# Altium PCB Hydrophone2012.PcbDoc (part 3 of 3) (continued)
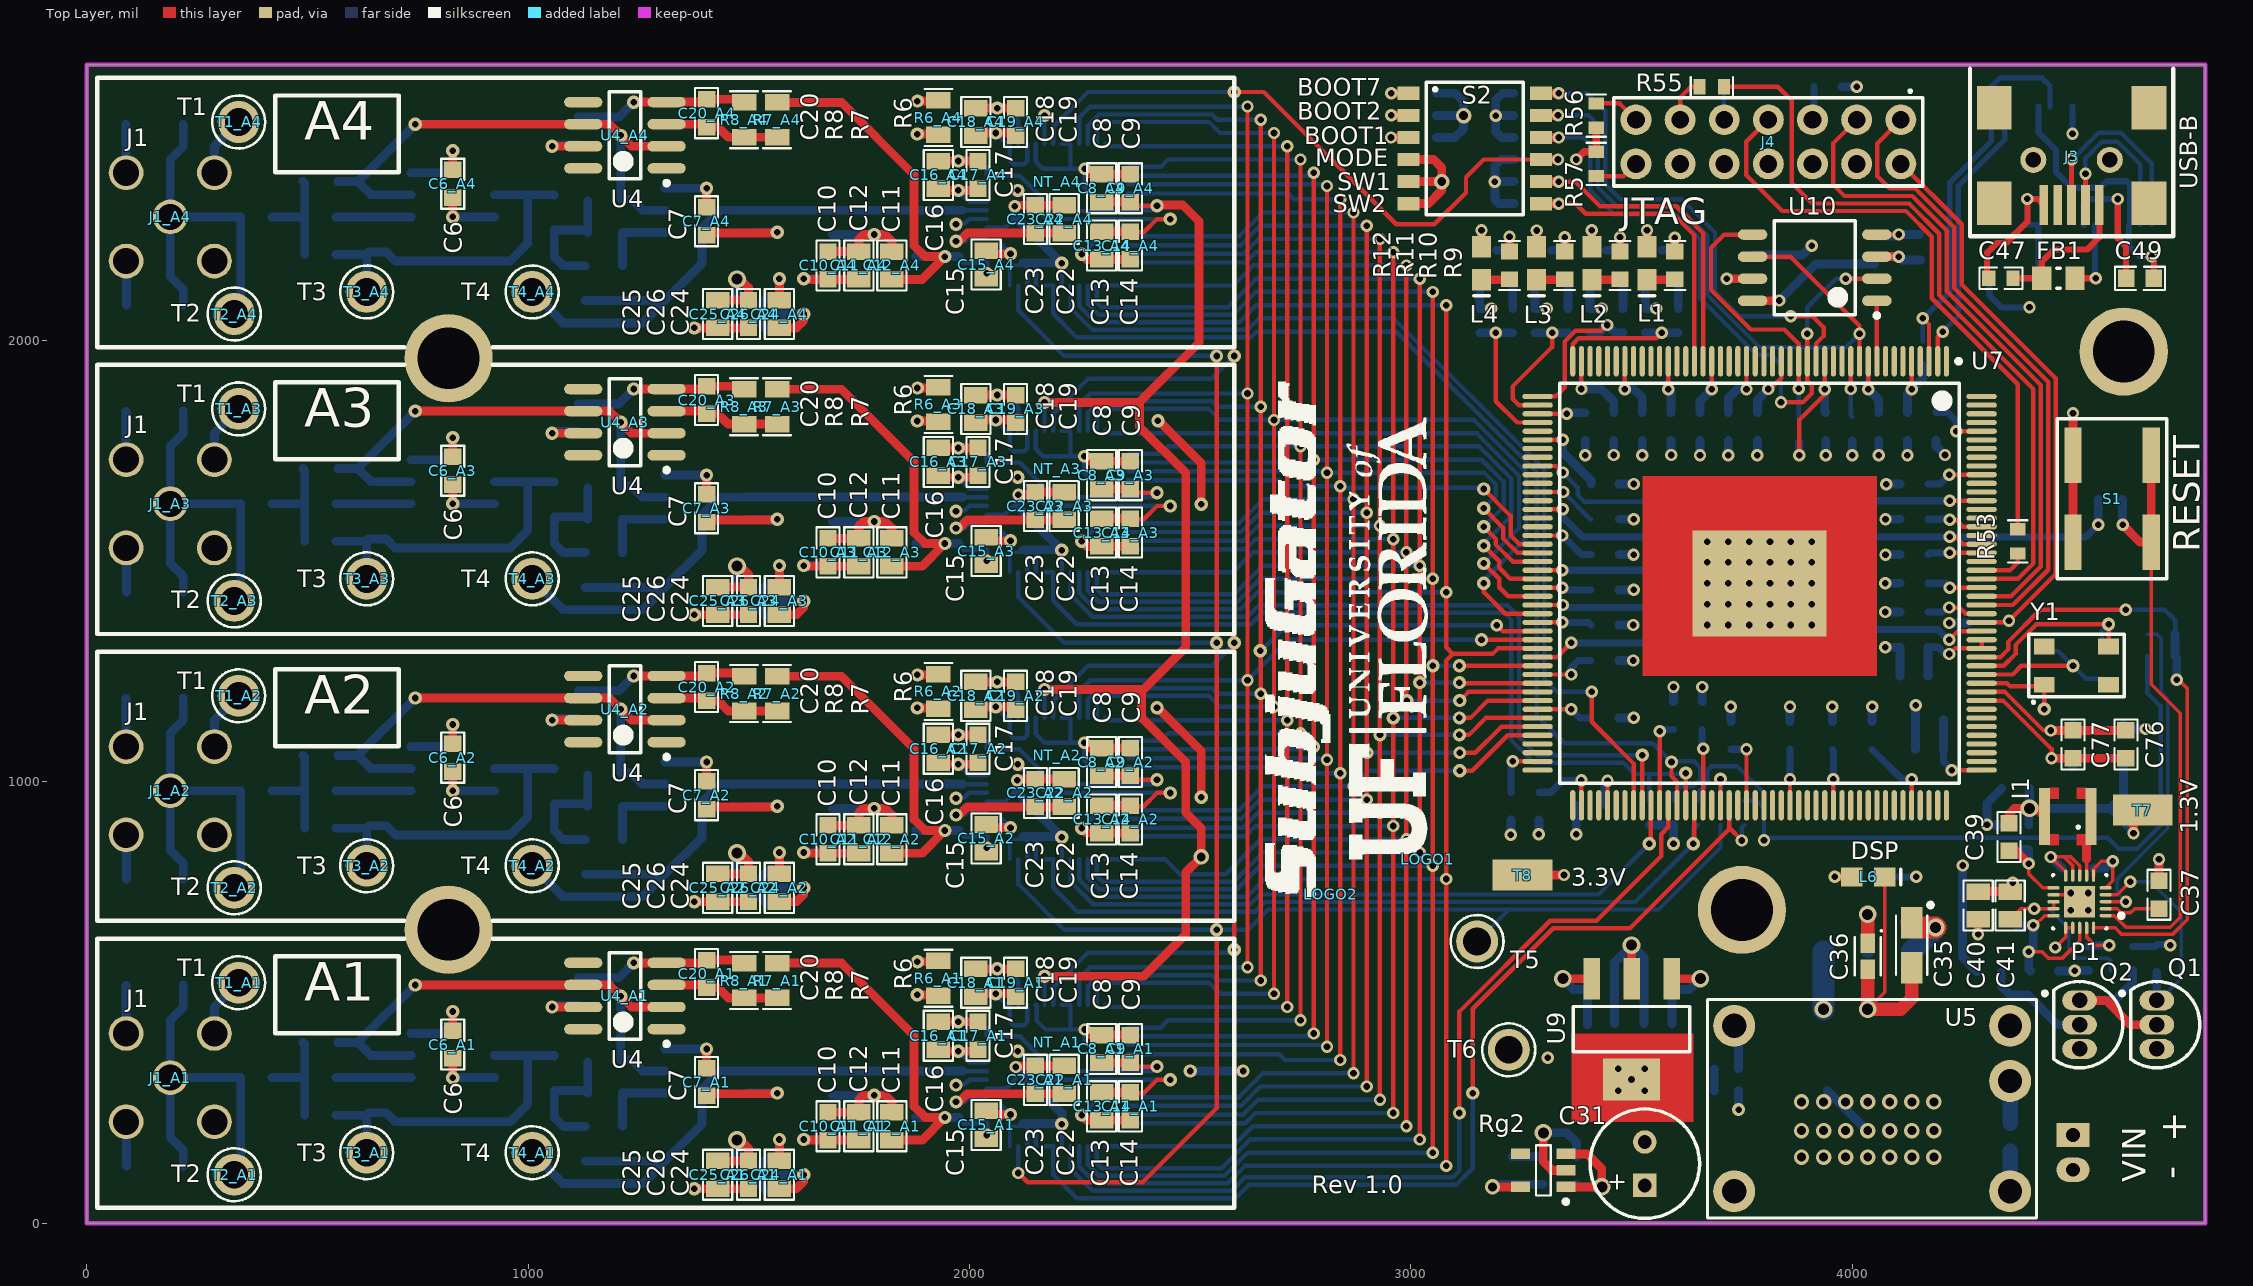
[diagram p0: Top Layer view]
## Nets (pads, with @x,y where several pads share a name; then routed paths per layer and width w, separated by ;. In a path a pad name is that pad's centre, name@x,y a point inside that pad or via, vN(x,y) a via of type N, cw(c..) or ccw(c..) an arc to the next point about the centre after c; other vN are vias at no path point) (continued)
SPI0_CS0: U7.9 U10.1 | length 137
  Top Layer w10: U7.9@4055.75,1952.95 U10.1@4055.75,2090
SPI0_SIMO: NT2.2 U7.18 U10.5 | length 573.4
  Top Layer w10: U10.5@3774.25,2240 3710,2240 3680,2210 3680,2115 3770,2025 3845.87,2025 3878.58,1992.28 U7.18@3878.58,1952.95 v1(3878.58,1890.79)
  Bottom Layer w10: NT2.2@3878.58,1870 v1(3878.58,1890.79)
SPI0_SOMI: NT3.2 U7.17 U10.2 | length 486.6
  Top Layer w10: v1(3838.5,1860) 3888.27,1860 3908.11,1879.84 3908.11,1898.39 3898.27,1908.23 U7.17@3898.27,1952.95 v1(3898.27,2015) ; v1(3985,2140) U10.2@4055.75,2140
  Bottom Layer w10: v1(3838.5,1860) NT3.2@3838.5,1885 ; v1(3898.27,2015) 3898.27,2075.16 3963.11,2140 v1(3985,2140)
TRSTN: J4.2 R31.1 U7.150 | length 1328
  Top Layer w10: J4.2@4110,2400 4111.17,2400 4248,2263.17 4248,2127 4461,1914 4461,1471 v1(4355,1365) 4351.42,1361.42 U7.150@4292.95,1361.42
  Bottom Layer w10: R31.1@4317.56,1360 4350,1360 v1(4355,1365)
USB_N: J3.2 U8.16 | length 404.2
  Top Layer w12: J3.2@4528.29,2306.8 v1(4528.29,2377.35)
  Bottom Layer w10: v1(4528.29,2377.35) 4528.29,2412.78 4566.21,2450.69 4600.61,2450.69 4652.54,2398.76 U8.16@4652.54,2262
USB_P: J3.3 U8.15 | length 478
  Top Layer w10: v1@4496.8,2410.35 v1(4497.31,2410.86)
  Top Layer w12: J3.3@4496.8,2306.8 v1@4496.8,2410.35
  Bottom Layer w10: v1(4497.31,2410.86) 4498.09,2410.86 4557.92,2470.69 4608.89,2470.69 4678.13,2401.45 U8.15@4678.13,2262
V5.0: C32.2 C33.2 C34.2 C36.1 C42.1 C44.2 P1.8 P1.9 P1.10 P1.15 P1.18 R22.2 R23.2 U6.2 U9.1 | length 2692.5
  Top Layer w8: v1(4400,615) 4430,615 4445,600 4475,600 4515,640 P1.18@4515,669.45 ; v1(4410,675) 4413.82,675 4435.83,697.01 P1.15@4455.94,697.01 ; P1.10@4483.5,787.56 4483.5,796.5 v1(4450,830) 4480,830 ; P1.9@4499.25,787.56 4499.25,810.75 4480,830 ; P1.8@4515,787.56 4515,810 4495,830 4480,830
  Top Layer w20: U9.1@3590.55,554.17 v4(3655.83,554.17)
  Top Layer w30: C36.1@4035,638.46 v4(4035,700)
  PWR w16: 4220,720 4255,685 4255,643.99 4319.99,579 4463,579 4492,608 4526,608 4533,601 4631.83,601 4660.83,630 v1(4720,630)
  PWR w20: v4(4035,700) 4055,720 4220,720 4280,720 4325,675 v1(4410,675) 4420,675 4450,705 v1(4450,830)
  PWR w30: v4(3655.83,554.17) 3889.17,554.17 v4(4035,700)
  Bottom Layer w16: R22.2@4635,627.56 R23.2@4686.06,627.56 ; R23.2@4690,631.5 4718.5,631.5 v1(4720,630)
  Bottom Layer w20: C42.1@3591.5,451.97 C44.2@3591.5,530 3631.65,530 v4(3655.83,554.17) ; C33.2@4363.31,683.5 4371.81,675 v1(4410,675) 4410,625 v1(4400,615) 4400,575.04 C34.2@4403.5,571.54 ; v1(4450,830) C32.2@4475,805
  Bottom Layer w30: U6.2@4035,616.06 v4(4035,700)
V7.2: A_A1.40 A_A2.40 A_A3.40 A_A4.40 C10_A1.1 C10_A2.1 C10_A3.1 C10_A4.1 C11_A1.2 C11_A2.2 C11_A3.2 C11_A4.2 C22_A1.2 C22_A2.2 C22_A3.2 C22_A4.2 C23_A1.2 C23_A2.2 C23_A3.2 C23_A4.2 C24_A1.2 C24_A2.2 C24_A3.2 C24_A4.2 C27.2 C31.1 C35.1 Rg1_A1.1 Rg1_A1.3 Rg1_A2.1 Rg1_A2.3 Rg1_A3.1 Rg1_A3.3 Rg1_A4.1 Rg1_A4.3 Rg2.1 Rg2.3 U3_A1.2 U3_A2.2 U3_A3.2 U3_A4.2 U5.5 U6.3 | length 13310.6
  Top Layer w20: C24_A1.2@1569.5,141.5 v2(1569.5,190) ; C24_A2.2@1569.5,791.5 v2(1569.5,840) ; C24_A3.2@1569.5,1441.5 v2(1569.5,1490) ; C24_A4.2@1569.5,2091.5 v2(1569.5,2140) ; v2(1624.5,190) 1626,188.5 C10_A1.1@1679.5,188.5 C11_A1.2@1749.5,188.5 ; v2(1624.5,840) 1626,838.5 C10_A2.1@1679.5,838.5 C11_A2.2@1749.5,838.5 ; v2(1624.5,1490) 1626,1488.5 C10_A3.1@1679.5,1488.5 C11_A3.2@1749.5,1488.5 ; v2(1624.5,2140) 1626,2138.5 C10_A4.1@1679.5,2138.5 C11_A4.2@1749.5,2138.5 ; v2(1969.5,275) 1976.6,275 1995.1,293.5 C23_A1.2@2149.5,293.5 C22_A1.2@2214.5,293.5 ; v2(1969.5,925) 1976.6,925 1995.1,943.5 C23_A2.2@2149.5,943.5 C22_A2.2@2214.5,943.5 ; v2(1969.5,1575) 1976.6,1575 1995.1,1593.5 C23_A3.2@2149.5,1593.5 C22_A3.2@2214.5,1593.5 ; v2(1969.5,2225) 1976.6,2225 1995.1,2243.5 C23_A4.2@2149.5,2243.5 C22_A4.2@2214.5,2243.5 ; Rg2.1@3351.18,82.6 v4(3432.6,82.6) 3432.6,123.9 3399.09,157.4 Rg2.3@3351.18,157.4
  Top Layer w50: C35.1@4134.49,681.18 4145.67,670 v4(4188.94,670)
  PWR w12: v2(1969.5,275) 2109.5,275 2129.5,255 2129.5,190.5 2270,50 ; v2(1969.5,925) 2109.5,925 2129.5,905 2129.5,750 2179.5,700 ; v2(1969.5,1575) 2109.5,1575 2129.5,1555 2129.5,1400 2179.5,1350 ; v2(1969.5,2225) 2109.5,2225 2129.5,2205 2129.5,2050 2179.5,2000
  PWR w20: v2(1569.5,190) v2(1624.5,190) 1764.5,50 2270,50 2718.8,50 2724.4,55.6 ; v2(1569.5,840) v2(1624.5,840) 1764.5,700 2179.5,700 2375.71,700 2490,585.71 ; v2(1569.5,1490) v2(1624.5,1490) 1764.5,1350 2179.5,1350 2290,1350 2490,1150 ; v2(1569.5,2140) v2(1624.5,2140) 1764.5,2000 2179.5,2000 2320,2000 2490,1830 2490,1150 ; C31.1@3530,85.79 3526.81,82.6 v4(3432.6,82.6) 3252.6,82.6 3215,45 3152.6,45 3142,55.6 2724.4,55.6 ; 2490,585.71 2535,540.71 2535,245 2724.4,55.6 ; 2490,585.71 2490,741.82 2453,778.82 2453,927.75 2490,964.75 2490,1150
  PWR w50: C31.1@3530,85.79 3719.21,85.79 U5.5@3732.5,72.5 3830,170 3830,300 3890,360 4150,360 4188.94,398.94 v4(4188.94,670)
  Bottom Layer w10: v2(1969.5,275) 1989.5,275 2000.29,285.79 A_A1.40@2039.07,285.79 ; v2(1969.5,925) 1989.5,925 2000.29,935.79 A_A2.40@2039.07,935.79 ; v2(1969.5,1575) 1989.5,1575 2000.29,1585.79 A_A3.40@2039.07,1585.79 ; v2(1969.5,2225) 1989.5,2225 2000.29,2235.79 A_A4.40@2039.07,2235.79
  Bottom Layer w20: v2(1569.5,190) 1569.5,153.58 Rg1_A1.1@1575.68,147.4 1541.9,147.4 1529.5,135 1529.5,85 1541.9,72.6 Rg1_A1.3@1575.68,72.6 ; v2(1569.5,840) 1569.5,803.58 Rg1_A2.1@1575.68,797.4 1541.9,797.4 1529.5,785 1529.5,735 1541.9,722.6 Rg1_A2.3@1575.68,722.6 ; v2(1569.5,1490) 1569.5,1453.58 Rg1_A3.1@1575.68,1447.4 1541.9,1447.4 1529.5,1435 1529.5,1385 1541.9,1372.6 Rg1_A3.3@1575.68,1372.6 ; v2(1569.5,2140) 1569.5,2103.58 Rg1_A4.1@1575.68,2097.4 1541.9,2097.4 1529.5,2085 1529.5,2035 1541.9,2022.6 Rg1_A4.3@1575.68,2022.6 ; v2(1624.5,190) U3_A1.2@1690.01,190 ; v2(1624.5,840) U3_A2.2@1690.01,840 ; v2(1624.5,1490) U3_A3.2@1690.01,1490 ; v2(1624.5,2140) U3_A4.2@1690.01,2140 ; C27.2@3375,88.5 3380.91,82.6 v4(3432.6,82.6)
  Bottom Layer w50: U6.3@4135,616.06 v4(4188.94,670)
VADC: A_A1.2 A_A1.44 A_A2.2 A_A2.44 A_A3.2 A_A3.44 A_A4.2 A_A4.44 C16_A1.2 C16_A2.2 C16_A3.2 C16_A4.2 C17_A1.2 C17_A2.2 C17_A3.2 C17_A4.2 C18_A1.2 C18_A2.2 C18_A3.2 C18_A4.2 C19_A1.2 C19_A2.2 C19_A3.2 C19_A4.2 C28.2 C29.2 R6_A1.2 R6_A2.2 R6_A3.2 R6_A4.2 Rg2.5 | length 9472
  Top Layer w20: v2(1882.1,592.4) R6_A1.2@1929.5,592.4 ; v2(1882.1,1242.4) R6_A2.2@1929.5,1242.4 ; v2(1882.1,1892.4) R6_A3.2@1929.5,1892.4 ; v2(1882.1,2542.4) R6_A4.2@1929.5,2542.4 ; C16_A1.2@1933,390 v2(1974.5,390) C17_A1.2@2016,390 ; C16_A2.2@1933,1040 v2(1974.5,1040) C17_A2.2@2016,1040 ; C16_A3.2@1933,1690 v2(1974.5,1690) C17_A3.2@2016,1690 ; C16_A4.2@1933,2340 v2(1974.5,2340) C17_A4.2@2016,2340 ; C18_A1.2@2014.5,576.5 v2(2063,576.5) C19_A1.2@2104.5,576.5 ; C18_A2.2@2014.5,1226.5 v2(2063,1226.5) C19_A2.2@2104.5,1226.5 ; C18_A3.2@2014.5,1876.5 v2(2063,1876.5) C19_A3.2@2104.5,1876.5 ; C18_A4.2@2014.5,2526.5 v2(2063,2526.5) C19_A4.2@2104.5,2526.5 ; v2(2425,1168) 2427,1168 2525,1070 v2(2525,965) ; v2(2427,1818) 2429,1818 2525,1722 v2(2525,1629.02) ; v3(3185,82.6) Rg2.5@3248.82,82.6
  PWR w20: v2(1974.5,390) 1949.5,390 1849.5,490 1849.5,559.8 v2(1882.1,592.4) 1965,592.4 ; v2(1974.5,1040) 1949.5,1040 1849.5,1140 1849.5,1209.8 v2(1882.1,1242.4) 1971.9,1242.4 ; v2(1974.5,1690) 1949.5,1690 1849.5,1790 1849.5,1859.8 v2(1882.1,1892.4) 1971.9,1892.4 ; v2(1974.5,2340) 1949.5,2340 1849.5,2440 1849.5,2509.8 v2(1882.1,2542.4) 1971.9,2542.4 ; v2(2063,576.5) 2047.1,592.4 1965,592.4 ; v2(2063,1226.5) 2047.1,1242.4 1971.9,1242.4 ; v2(2063,1876.5) 2047.1,1892.4 1971.9,1892.4 ; v2(2063,2526.5) 2047.1,2542.4 1971.9,2542.4 ; v2(2425,1168) 2318,1275 2004.5,1275 1971.9,1242.4 ; v2(2427,1818) 2320,1925 2004.5,1925 1971.9,1892.4 ; v2(2500,345) 2220,625 1997.6,625 1965,592.4 ; v3(3185,82.6) 2738.82,82.6 2620,201.42 v2(2620,345) 2620,493.9 2525,588.9 2525,745 2480,790 2480,916.56 2525,961.56 v2(2525,965) v2(2525,1629.02) 2525,2341.5 2291.5,2575 2004.5,2575 1971.9,2542.4
  Bottom Layer w10: v2(1974.5,390) 1999.97,364.53 A_A1.44@2039.07,364.53 ; v2(1974.5,1040) 1999.97,1014.53 A_A2.44@2039.07,1014.53 ; v2(1974.5,1690) 1999.97,1664.53 A_A3.44@2039.07,1664.53 ; v2(1974.5,2340) 1999.97,2314.53 A_A4.44@2039.07,2314.53 ; v2(2063,576.5) 2083,576.5 2110.92,548.58 A_A1.2@2110.92,495.43 ; v2(2063,1226.5) 2083,1226.5 2110.92,1198.58 A_A2.2@2110.92,1145.43 ; v2(2063,1876.5) 2083,1876.5 2110.92,1848.58 A_A3.2@2110.92,1795.43 ; v2(2063,2526.5) 2083,2526.5 2110.92,2498.58 A_A4.2@2110.92,2445.43
  Bottom Layer w20: v2(2500,345) v2(2620,345) ; v3(3185,82.6) 3190.91,88.5 C29.2@3230,88.5 C28.2@3300,88.5
VDD-1.8: C40.2 NC1.2 P1.3 P1.16 P1.17 | length 1262.9
  Top Layer w8: v1(4460,625) 4483.5,648.5 P1.16@4483.5,669.45 P1.17@4499.25,669.45 ; P1.3@4574.06,728.5 v1(4620,728.5)
  Top Layer w20: v1(4285,655) C40.2@4285,688.5
  PWR w8: v1(4285,655) 4290,650 4450,650 4460,660 ; v1(4460,625) 4460,660 ; v1(4620,728.5) 4583.5,728.5 4570,715 4570,690 4560,680 4480,680 4460,660
  Bottom Layer w8: v1(4620,728.5) 4600,748.5 4600,780.16 4715,895.16 4715,1188.63 4700,1203.63 4700,1325 4690,1335 NC1.2@4668.5,1335
VDD-3.3: C41.2 C52.2 C53.2 C54.2 C55.2 C56.2 C57.2 C58.2 C59.2 C60.2 C61.2 C62.2 C63.2 C64.2 C65.2 C66.2 C67.2 C68.2 C69.2 C70.2 C71.2 C72.2 C73.2 C88.2 C97.2 J4.5 P1.13 P1.14 R17.1 R26.2 R28.1 R29.2 R30.2 R56.1 R57.1 R58.2 T8.1 U7.5 U7.15 U7.24 U7.33 U7.43 U7.47 U7.53 U7.58 U7.65 U7.71 U7.75 U7.81 U7.87 U7.90 U7.99 U7.109 U7.119 U7.128 U7.151 U7.158 U7.164 U7.172 U10.4 | length 12787.1
  Top Layer w8: C41.2@4357.5,688.5 4381.75,712.76 v1(4412.24,712.76) P1.14@4455.94,712.76 P1.13@4455.94,728.5
  Top Layer w10: v1(3230.54,1046.46) U7.87@3287.05,1046.46 ; U7.81@3287.05,1164.57 v1(3363.39,1164.57) ; U7.75@3287.05,1282.68 3331.06,1282.68 v1(3363.39,1315) ; U7.71@3287.05,1361.42 v1(3343.27,1361.42) ; U7.65@3287.05,1479.53 v1(3343.27,1479.53) ; U7.58@3287.05,1617.32 v1(3343.98,1617.32) ; U7.53@3287.05,1715.75 3329.25,1715.75 v1(3343.98,1701.02) ; U7.47@3287.05,1833.86 v1(3353.27,1833.86) ; U7.90@3386.46,947.05 v1(3386.46,1003.46) ; v1(3386.46,1890) U7.43@3386.46,1952.95 ; U7.99@3563.62,947.05 3563.47,947.2 3563.47,1114.85 v1(3563.62,1115) ; v1(3583.31,1889.37) U7.33@3583.31,1952.95 ; U7.109@3760.47,947.05 v1(3760.47,1073.99) ; v1(3760.47,1889.37) U7.24@3760.47,1952.95 ; v1(3880,1740) 3880,1820 3937.64,1877.64 v1(3937.64,1889.37) U7.15@3937.64,1952.95 ; U7.119@3957.32,947.05 v1(3957.32,1006.42) ; U10.4@4055.75,2240 v1(4105,2240) ; U7.128@4134.49,947.05 v1(4134.49,1006.42) ; v1(4134.49,1889.37) U7.5@4134.49,1952.95 ; v1(4220,1395) 4243,1395 4256.9,1381.1 U7.151@4292.95,1381.1 ; v1(4220.47,1518.9) U7.158@4292.95,1518.9 ; v1(4220.47,1637.01) U7.164@4292.95,1637.01 ; v1(4235.98,1794.49) U7.172@4292.95,1794.49
  Top Layer w16: v1(3375,2410) 3392.56,2427.56 R57.1@3420,2427.56 R56.1@3420,2481.97
  Top Layer w20: T8.1@3253,789 v1(3347,789)
  PWR w16: 3292.68,1617.32 v1(3343.98,1617.32) ; v1@3353.27,1315 v1(3363.39,1315) ; v1(3375,2410) 3450,2335 3738.11,2335 3860,2213.11 ; 3908.11,2165 3860,2213.11 ; J4.5@3910,2500 3860,2450 3860,2213.11 ; 4010,950 4010,953.74 ; v1(4145,785) 4170,785 4192.06,807.06
  PWR w20: v1(3230.54,1046.46) 3290,987 ; 3290,1120 3334.57,1164.57 v1(3363.39,1164.57) ; 3290,1315 v1@3353.27,1315 ; 3290,1360 3291.42,1361.42 v1(3343.27,1361.42) ; 3290,1620 3292.68,1617.32 ; 3290.47,1479.53 v1(3343.27,1479.53) ; 3296.02,1701.02 v1(3343.98,1701.02) ; 3327,950 3343.65,933.35 3343.65,792.35 v1(3347,789) ; v1(3386.46,1003.46) 3386.46,983.54 3420,950 ; v1(3563.62,1115) 3558.47,1109.85 3558.47,1001.53 3610,950 ; v1(3583.31,1889.37) 3583.31,1913.31 3620,1950 ; v1(3760.47,1073.99) 3760.47,1014.53 3825,950 ; v1(3760.47,1889.37) 3760.47,1915.47 3795,1950 ; v1(3937.64,1889.37) 3937.64,1912.64 3975,1950 ; v1(3957.32,1006.42) 4010,953.74 ; 4015,1950 3908.11,2056.89 3908.11,2165 v1(3908.11,2215) 3933.11,2240 v1(4105,2240) ; v1(4134.49,1889.37) 4134.49,1919.49 4165,1950 ; v1(4220,1395) 4260,1395 4295,1360 ; v1(4220.47,1518.9) 4261.1,1518.9 4295,1485 ; v1(4220.47,1637.01) 4257.99,1637.01 4295,1600 ; v1(4235.98,1794.49) 4270.51,1794.49 4295,1770
  PWR w30: v1(3353.27,1833.86) 3328.86,1833.86 3290,1795 3290,1620 3290,1360 3290,1315 3290,1120 3290,987 3327,950 3420,950 3610,950 3825,950 4010,950 4050,950 4134.49,865.51 ; v1(3386.46,1890) 3446.46,1950 3620,1950 3795,1950 3975,1950 4015,1950 4165,1950 4195,1950 4295,1850 4295,1770 4295,1600 4295,1485 4295,1360 4295,1124.53 4445,974.53 4445,910.91 4327.31,793.22 4327.31,741.17 4320,733.86 ; v1(4134.49,1006.42) 4134.49,865.51 ; v1(4412.24,712.76) 4341.1,712.76 4320,733.86 ; 4134.49,865.51 4230,770 4283.86,770 4320,733.86
  Bottom Layer w8: v1(4412.24,712.76) 4446.06,712.76 4490,668.82 4490,619.21 4509.21,600 4580,600 4585,595 R17.1@4585,572.44
  Bottom Layer w10: v1(3343.98,1701.02) 3377.8,1667.2 3377.8,1650.34 3393.15,1635 C58.2@3538.5,1635
  Bottom Layer w16: C66.2@3226.65,976.5 3226.65,1042.56 v1(3230.54,1046.46) ; C69.2@3290,976.5 3317.13,976.5 3344.09,1003.46 v1(3386.46,1003.46) ; v1(3343.27,1361.42) 3402.6,1361.42 C63.2@3408.5,1355.51 ; v1(3343.27,1479.53) 3533.98,1479.53 C62.2@3538.5,1475 ; v1(3343.98,1617.32) 3343.98,1600.44 3389.42,1555 C59.2@3538.5,1555 ; v1(3363.39,1164.57) 3382.95,1145 C65.2@3408.5,1145 ; v1(3363.39,1315) C64.2@3538.5,1315 ; v1(3563.62,1115) 3567.13,1118.5 C67.2@3595,1118.5 ; C70.2@3725,1074.02 v1(3760.47,1073.99) ; J4.5@3913.5,2503.5 C97.2@3913.5,2575 ; C71.2@3955,1073.5 3957.32,1071.18 v1(3957.32,1006.42) ; C73.2@4041.5,1635 4043.5,1637.01 v1(4220.47,1637.01) ; C72.2@4045,1073.5 4112.09,1006.42 v1(4134.49,1006.42) ; R58.2@4067.56,785 v1(4145,785) ; C60.2@4171.5,1385 4203.99,1385 4213.99,1395 v1(4220,1395) ; C68.2@4171.5,1515 4175.39,1518.9 v1(4220.47,1518.9) ; C52.2@4190,1836.5 4216.04,1836.5 4235.98,1816.55 v1(4235.98,1794.49)
  Bottom Layer w20: v1(3353.27,1833.86) 3355.91,1836.5 C57.2@3395,1836.5 ; v1(3386.46,1890) 3431.5,1890 3459.53,1861.97 C56.2@3459.53,1836.5 ; v1(3583.31,1889.37) 3589.53,1883.15 C55.2@3589.53,1836.5 ; C54.2@3719.13,1836.5 3719.13,1869.13 3739.37,1889.37 v1(3760.47,1889.37) ; R30.2@3775,2193.46 3886.57,2193.46 v1(3908.11,2215) ; v1(3880,1740) R26.2@3880,1767.87 ; v1(3937.64,1889.37) 3937.64,1838.86 C53.2@3940,1836.5 ; C88.2@4044.69,2242.56 C88.2@4050.75,2236.5 4101.5,2236.5 v1(4105,2240) R29.2@4152.56,2240 ; C61.2@4125,1836.5 4125,1879.88 v1(4134.49,1889.37) 4160,1914.88 R28.1@4160,1942.44
VIN: C30.2 J2.1 U5.2 | length 324.4
  PWR w50: U5.2@4357.5,322.5 4357.5,262.5 4419.93,200.07 J2.1@4500,200.07
  Bottom Layer w35: C30.2@4357.5,226.5 U5.2@4357.5,322.5
pads on no net: A_A1.45 A_A1.46 A_A2.45 A_A2.46 A_A3.45 A_A3.46 A_A4.45 A_A4.46 J3.4 J3.6 J3.7 J4.6 Rg1_A1.4 Rg1_A2.4 Rg1_A3.4 Rg1_A4.4 Rg2.4 U1_A1.1 U1_A1.5 U1_A1.8 U1_A2.1 U1_A2.5 U1_A2.8 U1_A3.1 U1_A3.5 U1_A3.8 U1_A4.1 U1_A4.5 U1_A4.8 U2_A1.1 U2_A1.5 U2_A1.8 U2_A2.1 U2_A2.5 U2_A2.8 U2_A3.1 U2_A3.5 U2_A3.8 U2_A4.1 U2_A4.5 U2_A4.8 U3_A1.1 U3_A1.3 U3_A1.5 U3_A1.7 U3_A1.8 U3_A2.1 U3_A2.3 U3_A2.5 U3_A2.7 U3_A2.8 U3_A3.1 U3_A3.3 U3_A3.5 U3_A3.7 U3_A3.8 U3_A4.1 U3_A4.3 U3_A4.5 U3_A4.7 U3_A4.8 U4_A1.1 U4_A1.5 U4_A1.8 U4_A2.1 U4_A2.5 U4_A2.8 U4_A3.1 U4_A3.5 U4_A3.8 U4_A4.1 U4_A4.5 U4_A4.8 U5.3 U7.1 U7.4 U7.6 U7.7 U7.8 U7.13 U7.14 U7.19 U7.21 U7.22 U7.23 U7.25 U7.26 U7.27 U7.31 U7.32 U7.34 U7.35 U7.36 U7.37 U7.39 U7.40 U7.41 U7.42 U7.49 U7.51 U7.52 U7.54 U7.55 U7.57 U7.59 U7.60 U7.85 U7.86 U7.88 U7.89 U7.91 U7.92 U7.94 U7.95 U7.105 U7.108 U7.110 U7.111 U7.112 U7.113 U7.115 U7.116 U7.117 U7.118 U7.120 U7.121 U7.122 U7.123 U7.124 U7.125 U7.126 U7.127 U7.129 U7.130 U7.131 U7.132 U7.134 U7.135 U7.136 U7.137 U7.138 U7.139 U7.140 U7.157 U7.160 U7.162 U7.163 U7.165 U7.166 U7.168 U7.169 U7.170 U7.171 U7.173 U7.174 U7.175 U7.176 U8.2 U8.3 U8.6 U8.8 U8.9 U8.10 U8.11 U8.12 U8.13 U8.14 U8.19 U8.22 U8.23 U8.24 U8.27 U8.28 Y1.2 Y1.4

## Polygon pours and split planes (outlines as drawn)
AVCC_A3 on PWR "AVCC_A3" (solid, pour order 19): 29.5,1330 29.5,1940 2044.5,1940 2189.5,1795 2189.5,1731 2189.5,1564 2175.5,1550 2155.5,1530 2116.5,1530 2104.5,1530 2091.5,1517 2069.5,1495 2069.5,1452 2069.5,1330 29.5,1330
AVCC_A4 on PWR "AVCC_A4" (solid, pour order 18): 29.5,1980 29.5,2590 2044.5,2590 2189.5,2445 2189.5,2381 2189.5,2214 2175.5,2200 2155.5,2180 2116.5,2180 2104.5,2180 2091.5,2167 2069.5,2145 2069.5,2102 2069.5,1980 29.5,1980
AVCC_A2 on PWR "AVCC_A2" (solid, pour order 17): 29.5,680 29.5,1290 2044.5,1290 2189.5,1145 2189.5,1081 2189.5,914 2175.5,900 2155.5,880 2116.5,880 2104.5,880 2091.5,867 2069.5,845 2069.5,802 2069.5,680 29.5,680
AVCC_A1 on PWR "AVCC_A1" (solid, pour order 16): 29.5,30 29.5,640 2044.5,640 2189.5,495 2189.5,431 2189.5,264 2175.5,250 2155.5,230 2116.5,230 2104.5,230 2091.5,217 2069.5,195 2069.5,152 2069.5,30 29.5,30
AGND_A1 on GND "AGND1" (solid, pour order 15): 30,40 30,640 2045,640 2185,500 2190,495 2190,280 2190,265 2165,240 2160,235 2130,235 2109.03,235 2089.03,215 2070,195.97 2070,155 2070,40 30,40
AGND_A2 on GND "AGND2" (solid, pour order 14): 30,690 30,1290 2045,1290 2185,1150 2190,1145 2190,930 2190,915 2165,890 2160,885 2130,885 2109.03,885 2089.03,865 2070,845.97 2070,805 2070,690 30,690
AGND_A3 on GND "AGND3" (solid, pour order 12): 30,1340 30,1940 2045,1940 2185,1800 2190,1795 2190,1580 2190,1565 2165,1540 2160,1535 2130,1535 2109.03,1535 2089.03,1515 2070,1495.97 2070,1455 2070,1340 30,1340
AGND_A4 on GND "AGND4" (solid, pour order 11): 30,1990 30,2590 2045,2590 2185,2450 2190,2445 2190,2230 2190,2215 2165,2190 2160,2185 2130,2185 2109.03,2185 2089.03,2165 2070,2145.97 2070,2105 2070,1990 30,1990
DGND on GND "DGND" (solid, pour order 13): 2090,40 2090,2590 4780,2590 4775,2585 4775,40 2090,40

## Keep-outs
Keep-Out Layer:
  the board outline again, w10

## Other copper
Top Layer:
  rectangle net DGND: 3525,1239.37 4055.75,1693.5
  rectangle net DGND: 3363.39,230 3640,430

## Silkscreen, mask and mechanical layers (free items; w line width, h text height)
Top Overlay:
  lines w10: 720,645 710,645 24.5,645 24.5,35 2599.5,35 2599.5,645 920,645 ; 720,685 24.5,685 24.5,1295 2599.5,1295 2599.5,685 920,685 ; 720,1945 24.5,1945 24.5,1335 2599.5,1335 2599.5,1945 920,1945 ; 720,1985 24.5,1985 24.5,2595 2599.5,2595 2599.5,1985 920,1985 ; 427.5,431 427.5,605 707.5,605 707.5,431 427.5,431 ; 427.5,1081 427.5,1255 707.5,1255 707.5,1081 427.5,1081 ; 427.5,1731 427.5,1905 707.5,1905 707.5,1731 427.5,1731 ; 427.5,2381 427.5,2555 707.5,2555 707.5,2381 427.5,2381
  text "BOOT7" at 2743,2555 h40
  text "T1" at 205,2510 h40
  text "BOOT2" at 2743,2500 h40
  text "R6" at 1869,2479 h40 r90
  text "C20" at 1657,2452.6 h40 r90
  text "R8" at 1713.51,2452.6 h40 r90
  text "R7" at 1772.16,2452.6 h40 r90
  text "C18" at 2191,2448 h40 r90
  text "C19" at 2243,2447 h40 r90
  text "BOOT1" at 2758,2445 h40
  text "J1" at 89.97,2439.53 h40
  text "C8" at 2320,2431.69 h40 r90
  text "C9" at 2386,2431.69 h40 r90
  text "A4" at 492.5,2425 h150
  text "MODE" at 2783,2395 h40
  text "SW1" at 2833,2340 h40
  text "C17" at 2098,2322 h40 r90
  text "U4" at 1187,2302 h40
  text "SW2" at 2823,2290 h40
  text "JTAG" at 3475,2263.16 h60
  text "C12" at 1768,2246 h40 r90
  text "C10" at 1697,2244 h40 r90
  text "C11" at 1842.16,2244 h40 r90
  text "C7" at 1359,2226.69 h40 r90
  text "C16" at 1941,2201 h40 r90
  text "C6" at 850,2196 h40 r90
  text "T3" at 477,2091 h40
  text "T4" at 849,2091 h40
  text "C23" at 2167,2058 h40 r90
  text "C15" at 1987,2057 h40 r90
  text "C22" at 2237,2057 h40 r90
  text "T2" at 192,2043 h40
  text "C13" at 2316,2033 h40 r90
  text "C14" at 2381,2033 h40 r90
  text "C25" at 1254.5,2010 h40 r90
  text "C26" at 1309.5,2010 h40 r90
  text "C24" at 1364.5,2010 h40 r90
  text "T1" at 205,1860 h40
  text "R6" at 1869,1829 h40 r90
  text "C20" at 1657,1802.6 h40 r90
  text "R8" at 1713.51,1802.6 h40 r90
  text "R7" at 1772.16,1802.6 h40 r90
  text "C18" at 2191,1798 h40 r90
  text "C19" at 2243,1797 h40 r90
  text "J1" at 89.97,1789.53 h40
  text "C8" at 2320,1781.69 h40 r90
  text "C9" at 2386,1781.69 h40 r90
  text "A3" at 492.5,1775 h150
  text "C17" at 2098,1672 h40 r90
  text "U4" at 1187,1652 h40
  text "C12" at 1768,1596 h40 r90
  text "C10" at 1697,1594 h40 r90
  text "C11" at 1842.16,1594 h40 r90
  text "C7" at 1359,1576.69 h40 r90
  text "C16" at 1941,1551 h40 r90
  text "C6" at 850,1546 h40 r90
  text "RESET" at 4787,1520 h60 r90
  text "T3" at 477,1441 h40
  text "T4" at 849,1441 h40
  text "C23" at 2167,1408 h40 r90
  text "C15" at 1987,1407 h40 r90
  text "C22" at 2237,1407 h40 r90
  text "T2" at 192,1393 h40
  text "C13" at 2316,1383 h40 r90
  text "C14" at 2381,1383 h40 r90
  text "C25" at 1254.5,1360 h40 r90
  text "C26" at 1309.5,1360 h40 r90
  text "C24" at 1364.5,1360 h40 r90
  text "T1" at 205,1210 h40
  text "R6" at 1869,1179 h40 r90
  text "C20" at 1657,1152.6 h40 r90
  text "R8" at 1713.51,1152.6 h40 r90
  text "R7" at 1772.16,1152.6 h40 r90
  text "C18" at 2191,1148 h40 r90
  text "C19" at 2243,1147 h40 r90
  text "J1" at 89.97,1139.53 h40
  text "C8" at 2320,1131.69 h40 r90
  text "C9" at 2386,1131.69 h40 r90
  text "A2" at 492.5,1125 h150
  text "C17" at 2098,1022 h40 r90
  text "U4" at 1187,1002 h40
  text "C12" at 1768,946 h40 r90
  text "C10" at 1697,944 h40 r90
  text "C11" at 1842.16,944 h40 r90
  text "C7" at 1359,926.69 h40 r90
  text "C16" at 1941,901 h40 r90
  text "C6" at 850,896 h40 r90
  text "1.3V" at 4783,882 h40 r90
  text "DSP" at 3996.69,825 h40
  text "T3" at 477,791 h40
  text "T4" at 849,791 h40
  text "3.3V" at 3363.39,765 h40
  text "C23" at 2167,758 h40 r90
  text "C15" at 1987,757 h40 r90
  text "C22" at 2237,757 h40 r90
  text "T2" at 192,743 h40
  text "C13" at 2316,733 h40 r90
  text "C14" at 2381,733 h40 r90
  text "C25" at 1254.5,710 h40 r90
  text "C26" at 1309.5,710 h40 r90
  text "C24" at 1364.5,710 h40 r90
  text "T1" at 205,560 h40
  text "R6" at 1869,529 h40 r90
  text "C20" at 1657,502.6 h40 r90
  text "R8" at 1713.51,502.6 h40 r90
  text "R7" at 1772.16,502.6 h40 r90
  text "C18" at 2191,498 h40 r90
  text "C19" at 2243,497 h40 r90
  text "J1" at 89.97,489.53 h40
  text "C8" at 2320,481.69 h40 r90
  text "C9" at 2386,481.69 h40 r90
  text "A1" at 492.5,475 h150
  text "C17" at 2098,372 h40 r90
  text "U4" at 1187,352 h40
  text "C12" at 1768,296 h40 r90
  text "C10" at 1697,294 h40 r90
  text "C11" at 1842.16,294 h40 r90
  text "C7" at 1359,276.69 h40 r90
  text "C16" at 1941,251 h40 r90
  text "C6" at 850,246 h40 r90
  text "+" at 4705,184.21 h60 r270
  text "T3" at 477,141 h40
  text "T4" at 849,141 h40
  text "C23" at 2167,108 h40 r90
  text "C15" at 1987,107 h40 r90
  text "C22" at 2237,107 h40 r90
  text "-" at 4705,100 h60 r270
  text "T2" at 192,93 h40
  text "VIN" at 4683,93 h90 r90
  text "C13" at 2316,83 h40 r90
  text "C14" at 2381,83 h40 r90
  text "Rev 1.0" at 2775.5,68 h40
  text "C25" at 1254.5,60 h40 r90
  text "C26" at 1309.5,60 h40 r90
  text "C24" at 1364.5,60 h40 r90
Bottom Overlay:
  lines w10: 720,645 25,645 25,35 2600,35 2600,645 920,645 ; 720,685 25,685 25,1295 725,1295 915,1295 2600,1295 2600,685 920,685 ; 720,1945 25,1945 25,1335 2600,1335 2600,1945 920,1945 ; 720,1985 25,1985 25,2595 725,2595 915,2595 2600,2595 2600,1985 920,1985 ; 1561,439 1841,439 1841,613 1561,613 1561,439 ; 1561,1089 1561,1263 1841,1263 1841,1089 1561,1089 ; 1561,1739 1561,1913 1841,1913 1841,1739 1561,1739 ; 1561,2389 1561,2563 1841,2563 1841,2389 1561,2389
  text "C21" at 1056,2561 h40 r90
  text "D1" at 265,2534 h40
  text "R5" at 548,2468 h40
  text "R3" at 1034,2435 h40 r90
  text "A4" at 1776,2433 h150
  text "C5" at 1244,2430.99 h40
  text "U1" at 914.5,2420 h40
  text "C4" at 549,2414 h40
  text "R2" at 660,2398 h40 r90
  text "U2" at 1439.93,2397 h40
  text "R4" at 1242,2376 h40
  text "U3" at 1816,2289 h40
  text "C3" at 421,2181 h40
  text "C2" at 1303,2135 h40 r90
  text "C1" at 548,2092 h40
  text "R1" at 1150,2050 h40 r90
  text "ADC" at 2255,2021.95 h40
  text "Rg1" at 1429,2014 h40
  text "D2" at 280,1995 h40
  text "C21" at 1056,1911 h40 r90
  text "D1" at 265,1884 h40
  text "R5" at 548,1818 h40
  text "R3" at 1034,1785 h40 r90
  text "A3" at 1776,1783 h150
  text "C5" at 1244,1780.99 h40
  text "U1" at 914.5,1770 h40
  text "C4" at 549,1764 h40
  text "R2" at 660,1748 h40 r90
  text "U2" at 1439.93,1747 h40
  text "R4" at 1242,1726 h40
  text "U3" at 1816,1639 h40
  text "C3" at 421,1531 h40
  text "C2" at 1303,1485 h40 r90
  text "C1" at 548,1442 h40
  text "R1" at 1150,1400 h40 r90
  text "ADC" at 2255,1371.95 h40
  text "Rg1" at 1429,1364 h40
  text "D2" at 280,1345 h40
  text "C21" at 1056,1261 h40 r90
  text "D1" at 265,1234 h40
  text "R5" at 548,1168 h40
  text "R3" at 1034,1135 h40 r90
  text "A2" at 1776,1133 h150
  text "C5" at 1244,1130.99 h40
  text "U1" at 914.5,1120 h40
  text "C4" at 549,1114 h40
  text "R2" at 660,1098 h40 r90
  text "U2" at 1439.93,1097 h40
  text "R4" at 1242,1076 h40
  text "U3" at 1816,989 h40
  text "C3" at 421,881 h40
  text "C2" at 1303,835 h40 r90
  text "C1" at 548,792 h40
  text "R1" at 1150,750 h40 r90
  text "ADC" at 2255,721.95 h40
  text "Rg1" at 1429,714 h40
  text "D2" at 280,695 h40
  text "C21" at 1056,611 h40 r90
  text "D1" at 265,584 h40
  text "Designed by:" at 3075,529 h90
  text "R5" at 548,518 h40
  text "R3" at 1034,485 h40 r90
  text "A1" at 1776,483 h150
  text "C5" at 1244,480.99 h40
  text "U1" at 914.5,470 h40
  text "C4" at 549,464 h40
  text "R2" at 660,448 h40 r90
  text "U2" at 1439.93,447 h40
  text "R4" at 1242,426 h40
  text "U3" at 1816,339 h40
  text "C3" at 421,231 h40
  text "C2" at 1303,185 h40 r90
  text "C1" at 548,142 h40
  text "R1" at 1150,100 h40 r90
  text "Paul Launier" at 3075,79 h90
  text "ADC" at 2255,71.95 h40
  text "Rg1" at 1429,64 h40
  text "D2" at 280,45 h40
  text "2012" at 2941,21 h80

## Dimensions
0,0 to 4800,0 on Mechanical 1
0,0 to 0,2625 on Mechanical 1

## Text inside footprints (layer, text, board x,y; h text height)
C31: Top Overlay "+" at 3485,70 h40 r90